# Altium PCB wulpus_pro_acq.PcbDoc (part 1 of 3) (continued)
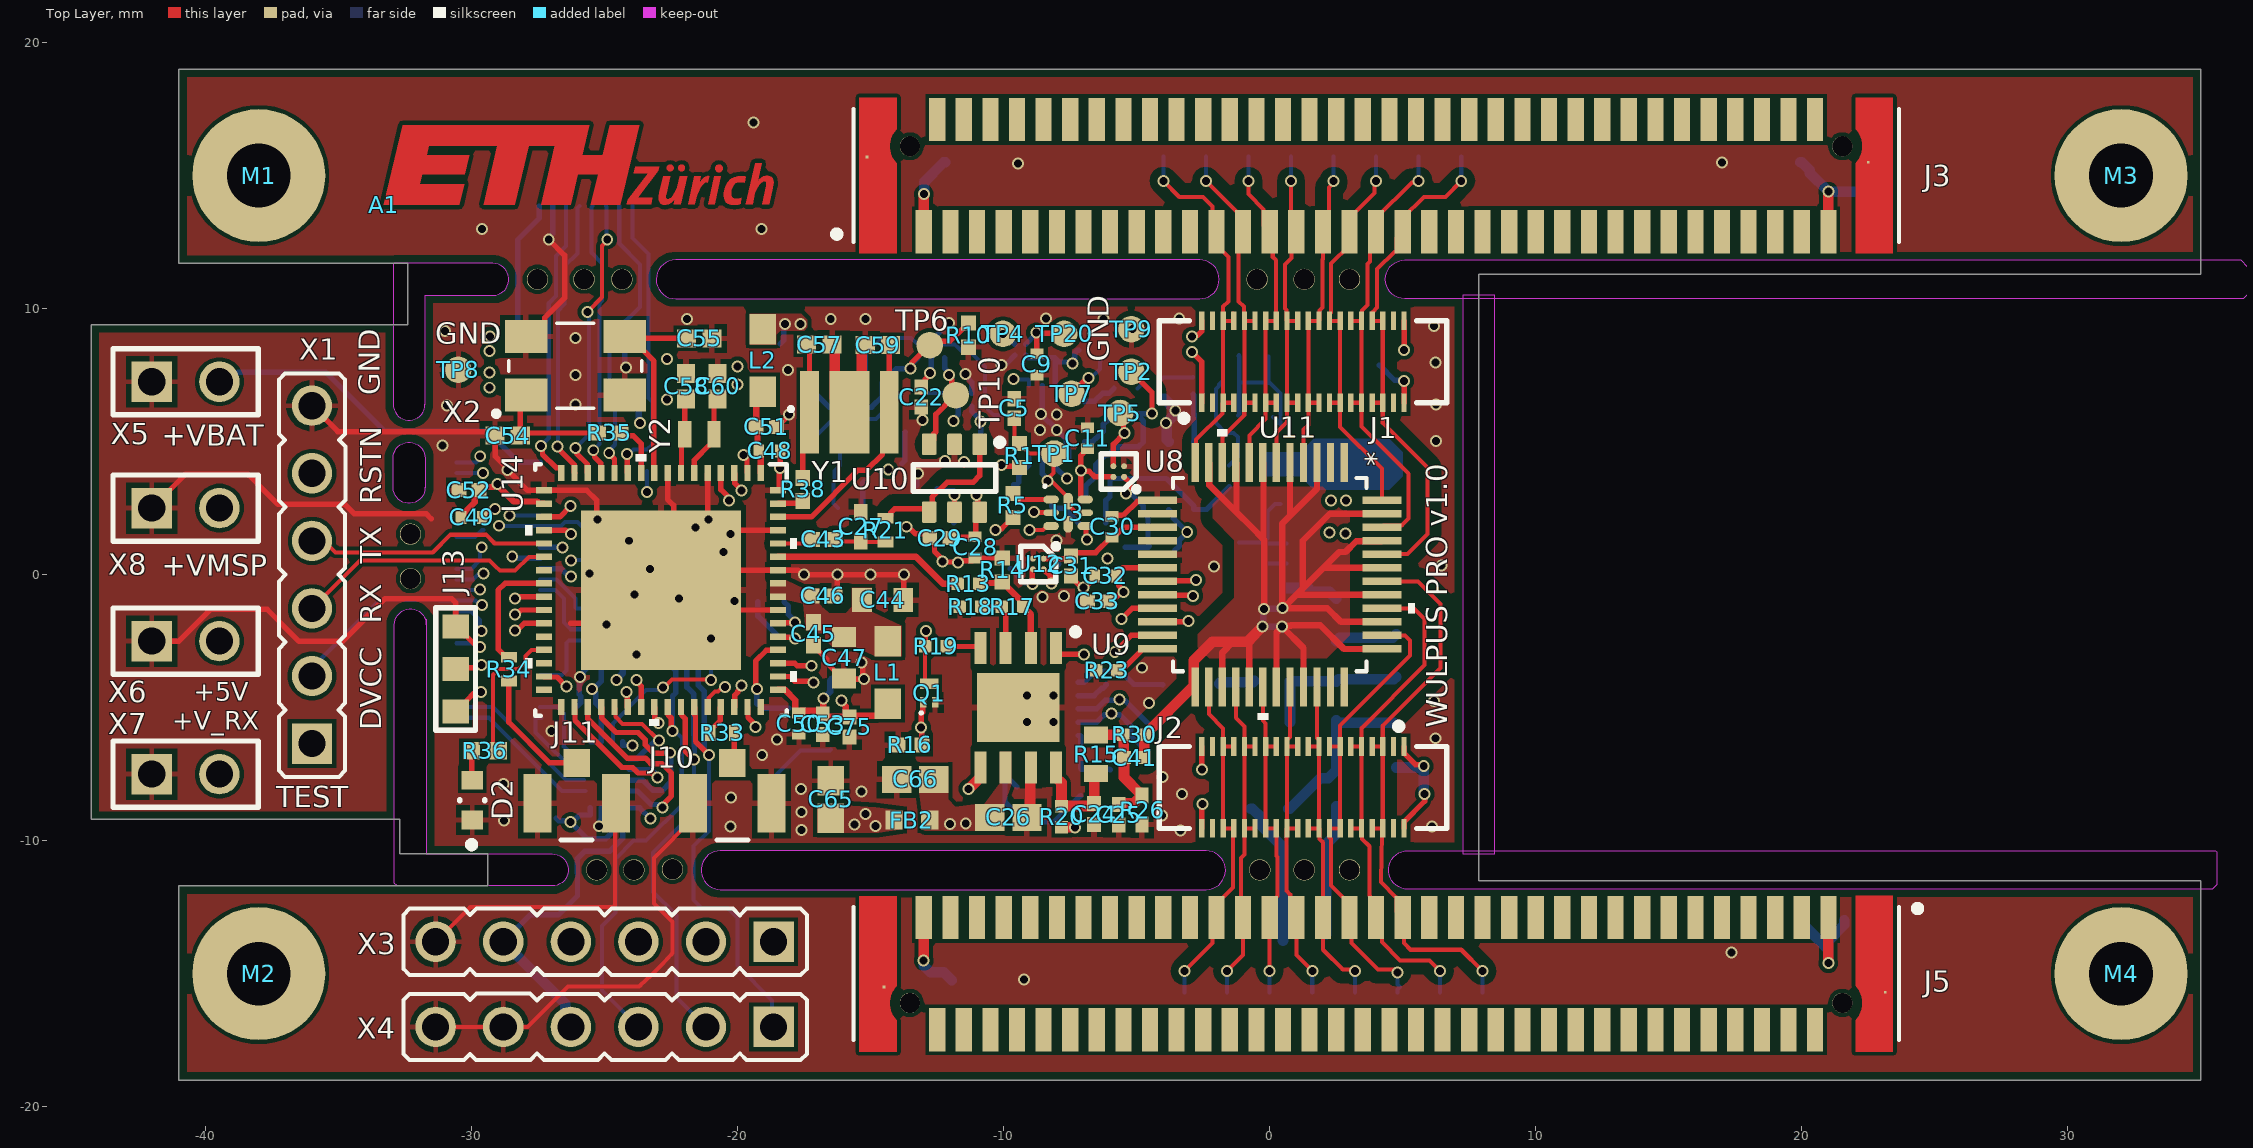
[diagram p0: Top Layer view]
## Components (designator, comment, footprint, x,y, rotation, side; value= is the part's Value field where it differs from the comment) (continued)
TP9 "TP-SM-C-100" TP-SM-C-100#1 -5.2,9.225 r90 top
TP10 "TP-SM-C-100" TP-SM-C-100#1 -11.8,6.744 r90 top
TP11 "TP-SM-C-100" TP-SM-C-100#1 -11.875,1.95 r90 bottom locked
TP12 "TP-SM-C-100" TP-SM-C-100#1 -9.75,0.225 r90 bottom locked
TP13 "TP-SM-C-100" TP-SM-C-100#1 4.125,7.875 r90 bottom locked
TP14 "TP-SM-C-100" TP-SM-C-100#1 15.5,15.5 r90 bottom
TP15 "TP-SM-C-100" TP-SM-C-100#2 16.2,-15.2 r90 bottom
TP16 "TP-SM-C-100" TP-SM-C-100#1 21.6,-13 r90 bottom
TP17 "TP-SM-C-100" TP-SM-C-100#1 22.5,14.3 r90 bottom
TP18 "TP-SM-C-100" TP-SM-C-100#1 -18.925,-8.123 r90 bottom
TP19 "TP-SM-C-100" TP-SM-C-100#1 -18.408,8.669 r90 bottom locked
TP20 "TP-SM-C-100" TP-SM-C-100#1 -7.725,9.05 r90 top locked
U1 "AD8338ACPZ-R7" FP-CP-16-22-IPC_C -8.303,5.75 r180 bottom locked
U2 "OPA836IDBVT" DBV0006A_L -3.8,3.725 r270 bottom locked
U3 "TPL0501-100RSER" TI-RSE8_V -7.575,2.325 r270 top locked
U4 "TS5A3159AYZPR" BGA6C50P2X3_89X139X50 -12.725,8.4 r270 bottom locked
U5 "LTC5507ES6#TRMPBF" FP-LTC5507ES6#TRMPBF-IPC_B -16.125,6 r270 bottom locked
U6 "TPS22916CYFPR" BGA4C40P2X2_78X78X50 -9.375,8.45 r90 bottom locked
U7 "TS5A3159AYZPR" BGA6C50P2X3_89X139X50 -11.2,6.575 r270 bottom locked
U8 "TPS22916CYFPR" BGA4C40P2X2_78X78X50 -5.675,3.875 r180 top locked
U9 "IXDD604D2TR" SON95P500X400X100-9N -9.45,-5 r270 top locked
U10 "OPA836IDBVT" DBV0006A_L -11.85,3.625 r270 top locked
U11 "HV2707T-C/R8X" LQFP48_7X7MC_MCH 0,0 r270 top locked
U12 "TPS22916CYFPR" BGA4C40P2X2_78X78X50 -8.7,0.4 r270 top locked
U13 "MD0100" AMP_PHA-1+ 2.541,4.15 r90 bottom locked
U14 "MSP430FR5043IRGCT" RGC0064G -22.88,-0.58 r270 top locked
U15 "LT3463EDD#PBF" LT-DD-10_V -8.625,-5.048 r0 bottom locked
U16 "TPS22916CYFPR" BGA4C40P2X2_78X78X50 -17.875,-5.225 r90 bottom locked
U17 "SN74AVC4T774RSVR" QFN40P260X180X55-16N -24.925,-7.525 r0 bottom locked
U18 "SN74AVC4T774RSVR" QFN40P260X180X55-16N -24.925,-1.875 r0 bottom locked
X1 "68000-106HLF" 68000-106HLF -36,0 r90 top locked
X2 "FY0800018" XTAL_ECS-80-18-30B-AGN-TR -26.1,7.85 r0 top locked
X3 "68000-106HLF" 68000-106HLF -25,-13.8 r180 top locked
X4 "68000-106HLF" 68000-106HLF -25,-17 r180 top locked
X5 "68000-102HLF" 68000-102HLF -40.75,7.25 r0 top locked
X6 "68000-102HLF" 68000-102HLF -40.75,-2.5 r0 top locked
X7 "68000-102HLF" 68000-102HLF -40.75,-7.5 r0 top locked
X8 "68000-102HLF" 68000-102HLF -40.75,2.5 r0 top locked
Y1 "AWSCR-8.00CV-T" AWSCR-8.00CV-T_ABR -15.8,6.1 r0 top locked
Y2 "ABS05-32.768KHZ-9-T" FP-ABS05-MFG -21.44,5.28 r180 top locked

## Footprints (in the part's own frame and the unit in brackets; to place one, negate y for a bottom-side part, rotate by r counter-clockwise, add the part's x,y. Pads: shape width x height; smd on the part's side, far side on the other; paste and mask are expansions set on the pad)
68000-102HLF [mm] "Terminal Assembly, 1x2 Pins, Vertical, 2.54mm Pitch, Male"
  rect 1.52x1.52 hole 1.02: 1(-1.27,0)
  round 1.52 hole 1.02: 2(1.27,0)
  silkscreen extent -2.73,-1.24 2.73,1.24, body extent -2.54,-1.21 2.54,1.21, height 8.39
68000-106HLF [mm] "Terminal Assembly, 1x6 Pin, Vertical, 2.54mm Pitch, Male, TH"
  rect 1.52x1.52 hole 1.02: 1(-6.35,0)
  round 1.52 hole 1.02: 2(-3.81,0) 3(-1.27,0) 4(1.27,0) 5(3.81,0) 6(6.35,0)
  silkscreen extent -7.6,-1.25 7.56,1.25, body extent -7.62,-1.21 7.62,1.21, height 8.39
AMP_PHA-1+ [mil]
  rect 28x51.18 smd: 1(-59,-84) 3(59,-84)
  round 1 smd: 2(0,-6.75)
  rect 3.94x3.94 smd paste-39.37 mask+0: 2_4(0,-8.5)
  Top Layer region: 37.5,77 37.5,-35 18,-54.5 18,-110 -18,-110 -18,-54.5 -37.5,-35 -37.5,77 -18,96.5 18,96.5
  silkscreen extent -96,-88 88,48, body extent -89,-81 89,81, height 63
AWSCR-8.00CV-T_ABR [mil]
  rect 28x122 smd paste+0 mask+0: 1(-59.06,0) 3(59.06,0)
  rect 59x122 smd paste+0 mask+0: 2(0,0)
  silkscreen extent -90,2 -84,8, body extent -73,-61 73,61, height 48
BGA4C40P2X2_78X78X50 [mm]
  round 0.226 smd: A1(-0.2,0.2) A2(0.2,0.2) B1(-0.2,-0.2) B2(0.2,-0.2)
  silkscreen extent -0.76,-0.66 0.66,0.76
BGA6C50P2X3_89X139X50 [mm]
  round 0.226 smd: A1(-0.25,0.5) A2(0.25,0.5) B1(-0.25,0) B2(0.25,0) C1(-0.25,-0.5) C2(0.25,-0.5)
  silkscreen extent -0.81,-0.96 0.71,1.06, body extent -0.44,-0.69 0.44,0.69, height 0.5
CAPC1005X55X25LL05T10 [mm] "Chip Capacitor, 2-Leads, Body 1.00x0.50mm, IPC High Density"
  rect 0.56x0.52 smd: 1(-0.39,0) 2(0.39,0)
  body extent -0.53,-0.28 0.53,0.28, height 0.55
CAPC1005X55X30LL05T10 [mm] "Chip Capacitor, 2-Leads, Body 1.00x0.50mm, IPC High Density"
  rect 0.56x0.52 smd: 1(-0.38,0) 2(0.38,0)
  body extent -0.53,-0.28 0.53,0.28, height 0.55
CONN_DF52-16S-0.8H(21)_HIR [mil]
  rect 21x41 smd paste+0 mask+0: 1(-236.22,50.63) 2(-204.72,50.63) 3(-173.23,50.63) 4(-141.73,50.63) 5(-110.24,50.63) 6(-78.74,50.63) 7(-47.24,50.63) 8(-15.75,50.63) 9(15.75,50.63) 10(47.24,50.63) 11(78.74,50.63) 12(110.24,50.63) 13(141.73,50.63) 14(173.23,50.63) 15(204.72,50.63) 16(236.22,50.63)
  rect 37x65 smd: 17(-285.43,-24.96) 18(285.43,-24.96)
  silkscreen extent -304,-64 304,64, body extent -295,-55 295,54, height 69
DBV0006A_L [mm]
  rrect18% 0.8x0.55 smd: 1(-1.275,0.95) 2(-1.275,0) 3(-1.275,-0.95) 4(1.275,-0.95) 5(1.275,0) 6(1.275,0.95)
  silkscreen extent -1.72,-1.55 0.5,1.77, body extent -1.42,-1.46 1.42,1.46, height 1.11
DF40HC3050DS04V51 [mil]
  rect 6x44.56 smd paste+0 mask+0: 1(-188.98,-62) 2(-173.23,-62) 3(-157.48,-62) 4(-141.73,-62) 5(-125.98,-62) 6(-110.24,-62) 7(-94.49,-62) 8(-78.74,-62) 9(-62.99,-62) 10(-47.24,-62) 11(-31.5,-62) 12(-15.75,-62) 13(0,-62) 14(15.75,-62) 15(31.5,-62) 16(47.24,-62) 17(62.99,-62) 18(78.74,-62) 19(94.49,-62) 20(110.24,-62) 21(125.98,-62) 22(141.73,-62) 23(157.48,-62) 24(173.23,-62) 25(188.98,-62) 26(188.98,62) 27(173.23,62) 28(157.48,62) 29(141.73,62) 30(125.98,62) 31(110.24,62) 32(94.49,62) 33(78.74,62) 34(62.99,62) 35(47.24,62) 36(31.5,62) 37(15.75,62) 38(0,62) 39(-15.75,62) 40(-31.5,62) 41(-47.24,62) 42(-62.99,62) 43(-78.74,62) 44(-94.49,62) 45(-110.24,62) 46(-125.98,62) 47(-141.73,62) 48(-157.48,62) 49(-173.23,62) 50(-188.98,62)
  silkscreen extent -239,-104 242,61, body extent -248,-67 248,67, height 114
DIODE_SOD323_DIO [mil]
  rect 43.56x16.36 smd paste+0 mask+0: 1(-45,0) 2(45,0)
  silkscreen extent -40,-32 40,32, body extent -53,-27 53,27, height 47
ERJ2RKD1004X#1 [mm]
  rect 0.475x0.5 smd: 1(-0.512,0) 2(0.512,0)
  silkscreen extent -0.97,-0.03 -0.93,0.03, body extent -0.5,-0.25 0.5,0.25, height 0.35
ERJ2RKD1004X#2 [mm]
  rect 0.475x0.5 smd: 1(-0.515,0) 2(0.512,0)
  silkscreen extent -0.97,-0.03 -0.93,0.03, body extent -0.5,-0.25 0.5,0.25, height 0.35
ERJP03_PA3_(0603) [mm]
  rect 0.65x0.9 smd: 1(-0.725,0) 2(0.725,0)
  body extent -0.8,-0.4 0.8,0.4, height 0.45
eth-zurich_3mm [mm] "Logo ETH Zurich"
  Top Layer circle w0.3: c12.598,1.372 r0.001
  Top Layer circle w0.27: c11.193,1.389 r0.001
  Top Layer circle w0.27: c10.764,1.389 r0.001
  Top Layer region: 14.118,0.96 14.118,0.96 14.049,0.879 14.2,1.562 13.955,1.562 13.614,0.024 13.86,0.024 13.95,0.433 14.001,0.555 14.061,0.663 14.121,0.759 14.181,0.822 14.229,0.855 14.277,0.879 14.313,0.879 14.349,0.867 14.373,0.843 14.379,0.807 14.379,0.759 14.373,0.717 14.219,0.024 14.486,0.024 14.601,0.555 14.644,0.753 14.649,0.843 14.637,0.927 14.613,0.999 14.565,1.047 14.505,1.083 14.457,1.095 14.361,1.095 14.265,1.071 14.181,1.023
  Top Layer region: 13.614,1.051 13.614,1.051 13.56,1.071 13.5,1.08 13.404,1.08 13.296,1.071 13.182,1.044 13.086,0.996 13.008,0.936 12.96,0.888 12.912,0.828 12.87,0.756 12.84,0.684 12.81,0.6 12.792,0.522 12.78,0.444 12.78,0.342 12.792,0.252 12.81,0.192 12.84,0.132 12.876,0.084 12.924,0.048 12.978,0.024 13.032,0.012 13.152,0 13.212,0 13.32,0.012 13.387,0.028 13.416,0.036 13.441,0.272 13.386,0.252 13.308,0.234 13.248,0.228 13.206,0.228 13.158,0.24 13.116,0.264 13.092,0.288 13.074,0.324 13.062,0.366 13.056,0.408 13.056,0.462 13.068,0.54 13.092,0.618 13.122,0.684 13.158,0.738 13.212,0.804 13.26,0.834 13.308,0.852 13.356,0.858 13.428,0.858 13.494,0.852 13.524,0.846 13.566,0.834
  Top Layer region: 12.438,0.024 12.438,0.024 12.671,1.071 12.424,1.071 12.192,0.024
  Top Layer region: 11.857,0.78 11.857,0.78 11.922,1.071 11.676,1.071 11.444,0.024 11.689,0.024 11.727,0.193 11.784,0.378 11.85,0.54 11.904,0.642 11.979,0.741 12.03,0.792 12.072,0.822 12.114,0.84 12.144,0.84 12.184,0.83 12.24,1.08 12.204,1.086 12.168,1.086 12.132,1.08 12.078,1.056 12.042,1.032 11.994,0.99 11.952,0.948 11.904,0.876
  Top Layer region: 11.166,0.024 11.166,0.024 11.398,1.071 11.121,1.071 11.031,0.661 10.98,0.54 10.92,0.432 10.86,0.336 10.8,0.273 10.752,0.24 10.704,0.216 10.668,0.216 10.632,0.228 10.608,0.252 10.602,0.288 10.602,0.336 10.608,0.378 10.763,1.071 10.496,1.071 10.38,0.54 10.336,0.342 10.332,0.252 10.344,0.168 10.368,0.096 10.416,0.048 10.476,0.012 10.524,0 10.62,0 10.716,0.024 10.8,0.072 10.863,0.135 10.932,0.216 10.89,0.024
  Top Layer region: 10.359,1.44 10.359,1.44 9.452,1.44 9.396,1.191 9.945,1.191 9.172,0.185 9.138,0.024 10.044,0.024 10.099,0.273 9.549,0.273 10.325,1.284
  Top Layer region: 8.895,0 8.895,0 9.6,3 8.493,3 8.227,1.87 7.459,1.87 7.723,3 0.705,3 0,0 1.171,0 2.838,0 3.021,0.78 1.356,0.78 1.442,1.146 3.034,1.146 3.204,1.866 1.609,1.866 1.693,2.22 4.273,2.22 3.75,0 4.923,0 5.445,2.22 6.433,2.22 5.913,0 7.02,0 7.29,1.151 8.058,1.151 7.788,0
FP-0402-L_1_0_1-W_0_5_0_1-IPC_C [mm]
  rect 0.581x0.512 smd paste+0 mask+0: 1(-0.366,0) 2(0.366,0)
  body extent -0.5,-0.25 0.5,0.25, height 0.56
FP-0402-L_1_0_1-W_0_5_0_1-MFG [mm]
  rect 0.6x0.5 smd paste+0 mask+0: 1(-0.55,0) 2(0.55,0)
  body extent -0.5,-0.25 0.5,0.25, height 0.56
FP-ABS05-MFG [mm]
  rect 0.5x1 smd paste+0 mask+0: 1(-0.55,0) 2(0.55,0)
  body extent -0.95,-0.65 0.95,0.65, height 0.25
FP-APHD1608LZGCK-MFG [mm]
  rect 0.7x0.8 smd paste+0 mask+0: 1(-0.75,0) 2(0.75,0)
  silkscreen extent -1.8,-0.48 0.03,0.48, body extent -1.2,-0.58 1.2,0.58, height 0.25
FP-BLM18-0_15-t0_8-MFG [mm]
  rect 0.65x0.7 smd paste+0 mask+0: 1(-0.675,0) 2(0.675,0)
  body extent -0.8,-0.4 0.8,0.4, height 0.95
FP-C1005-050-0_15-0_1-MFG [mm]
  rect 0.4x0.5 smd paste+0 mask+0: 1(-0.4,0) 2(0.4,0)
  body extent -0.5,-0.25 0.5,0.25, height 0.65
FP-CP-16-22-IPC_C [mm]
  rect 0.806x0.239 smd paste+0 mask+0: 1(-1.353,0.75)
  rrect100% 0.806x0.239 smd paste+0 mask+0: 2(-1.353,0.25) 3(-1.353,-0.25) 4(-1.353,-0.75) 9(1.353,-0.75) 10(1.353,-0.25) 11(1.353,0.25) 12(1.353,0.75)
  rrect100% 0.239x0.806 smd paste+0 mask+0: 5(-0.75,-1.353) 6(-0.25,-1.353) 7(0.25,-1.353) 8(0.75,-1.353) 13(0.75,1.353) 14(0.25,1.353) 15(-0.25,1.353) 16(-0.75,1.353)
  rect 1.5x1.5 smd paste-1000 mask+0: 17(0,0)
  silkscreen extent -1.98,-1.5 1.5,1.5, body extent -1.5,-1.5 1.5,1.5, height 0.8
FP-CRCW0402-C-e3-MFG [mm]
  rect 0.4x0.6 smd paste+0 mask+0: 1(-0.45,0) 2(0.45,0)
  body extent -0.5,-0.25 0.5,0.25, height 0.35
FP-CRCW0402-e3-IPC_B [mm]
  rect 0.568x0.572 smd paste+0 mask+0: 1(-0.452,0) 2(0.452,0)
  body extent -0.5,-0.25 0.5,0.25, height 0.4
FP-CRCW0402-e3-IPC_C [mm]
  rect 0.468x0.472 smd paste+0 mask+0: 1(-0.402,0) 2(0.402,0)
  body extent -0.5,-0.25 0.5,0.25, height 0.4
FP-CRCW0402-e3-MFG [mm]
  rect 0.6x0.6 smd paste+0 mask+0: 1(-0.525,0) 2(0.525,0)
  body extent -0.5,-0.25 0.5,0.25, height 0.4
FP-DF40C-40DS-0_4V_51-MFG [mm]
  rect 0.2x0.7 smd paste-1000 mask+0: 1(-3.8,-1.54) 2(-3.8,1.54) 3(-3.4,-1.54) 4(-3.4,1.54) 5(-3,-1.54) 6(-3,1.54) 7(-2.6,-1.54) 8(-2.6,1.54) 9(-2.2,-1.54) 10(-2.2,1.54) 11(-1.8,-1.54) 12(-1.8,1.54) 13(-1.4,-1.54) 14(-1.4,1.54) 15(-1,-1.54) 16(-1,1.54) 17(-0.6,-1.54) 18(-0.6,1.54) 19(-0.2,-1.54) 20(-0.2,1.54) 21(0.2,-1.54) 22(0.2,1.54) 23(0.6,-1.54) 24(0.6,1.54) 25(1,-1.54) 26(1,1.54) 27(1.4,-1.54) 28(1.4,1.54) 29(1.8,-1.54) 30(1.8,1.54) 31(2.2,-1.54) 32(2.2,1.54) 33(2.6,-1.54) 34(2.6,1.54) 35(3,-1.54) 36(3,1.54) 37(3.4,-1.54) 38(3.4,1.54) 39(3.8,-1.54) 40(3.8,1.54)
  silkscreen extent -5.4,-2.25 5.4,1.54, body extent -5.5,-1.99 5.5,1.99, height 0.25
FP-ERJ2RK-IPC_C [mm]
  rect 0.468x0.472 smd paste+0 mask+0: 1(-0.402,0) 2(0.402,0)
  body extent -0.5,-0.25 0.5,0.25, height 0.4
FP-ERJ2RK-MFG [mm]
  rect 0.475x0.5 smd paste+0 mask+0: 1(-0.513,0) 2(0.513,0)
  body extent -0.5,-0.25 0.5,0.25, height 0.4
FP-ERJ-3GEY0R00V-MFG [mm]
  rect 0.65x0.9 smd paste+0 mask+0: 1(-0.725,0) 2(0.725,0)
  body extent -1.15,-0.58 1.15,0.58, height 0.25
FP-GCM21B-0_15-IPC_C [mm]
  rect 1.006x1.308 smd paste+0 mask+0: 1(-0.726,0) 2(0.726,0)
  body extent -1,-0.63 1,0.63, height 1.4
FP-GJM155-0_05-IPC_A [mm]
  rect 0.715x0.672 smd paste+0 mask+0: 1(-0.479,0) 2(0.479,0)
  body extent -1.04,-0.54 1.04,0.54, height 0.25
FP-GJM155-0_05-IPC_C [mm]
  rect 0.515x0.472 smd paste+0 mask+0: 1(-0.379,0) 2(0.379,0)
  body extent -0.5,-0.25 0.5,0.25, height 0.55
FP-GRM033-0_03-IPC_B [mm]
  rect 0.454x0.363 smd paste+0 mask+0: 1(-0.304,0) 2(0.304,0)
  body extent -0.3,-0.15 0.3,0.15, height 0.33
FP-GRM155-0_1-IPC_C [mm]
  rect 0.515x0.472 smd paste+0 mask+0: 1(-0.379,0) 2(0.379,0)
  body extent -0.5,-0.25 0.5,0.25, height 0.6
FP-GRM155-0_05-IPC_B [mm]
  rect 0.615x0.572 smd paste+0 mask+0: 1(-0.429,0) 2(0.429,0)
  body extent -0.5,-0.25 0.5,0.25, height 0.55
FP-GRM155-0_05-IPC_C [mm]
  rect 0.515x0.472 smd paste+0 mask+0: 1(-0.379,0) 2(0.379,0)
  body extent -0.74,-0.38 0.74,0.38, height 0.25
FP-GRM155-0_05-MFG [mm]
  rect 0.4x0.5 smd paste+0 mask+0: 1(-0.4,0) 2(0.4,0)
  body extent -0.5,-0.25 0.5,0.25, height 0.55
FP-GRM188-0_2-IPC_B [mm]
  rect 1.105x1.006 smd paste+0 mask+0: 1(-0.701,0) 2(0.701,0)
  body extent -1.5,-0.75 1.5,0.75, height 0.25
FP-GRM188-0_2-MFG [mm]
  rect 0.75x0.9 smd paste+0 mask+0: 1(-0.775,0) 2(0.775,0)
  body extent -0.8,-0.4 0.8,0.4, height 1
FP-LQH3NPH_ME-MFG [mm]
  rect 0.8x2.7 smd paste+0 mask+0: 1(-1.1,0) 2(1.1,0)
  silkscreen extent -0.33,-1.6 0.33,1.6, body extent -1.5,-1.5 1.5,1.5, height 1.5
FP-LTC5507ES6#TRMPBF-IPC_B [mm]
  rect 1.24x0.526 smd paste+0 mask+0: 1(-1.165,0.95)
  rrect100% 1.24x0.526 smd paste+0 mask+0: 2(-1.165,0) 3(-1.165,-0.95) 4(1.166,-0.95) 5(1.166,0) 6(1.166,0.95)
  silkscreen extent -2.41,-1.45 0.05,1.45, body extent -1.41,-1.45 1.41,1.45, height 1
FP-MCS0402-IPC_B [mm]
  rect 0.565x0.572 smd paste+0 mask+0: 1(-0.454,0) 2(0.454,0)
  body extent -0.5,-0.25 0.5,0.25, height 0.37
FP-RC1005-MFG [mm]
  rect 0.6x0.5 smd paste+0 mask+0: 1(-0.55,0) 2(0.55,0)
  body extent -0.95,-0.38 0.95,0.38, height 0.25
FP-RMCF0201-MFG [mm]
  rect 0.35x0.4 smd paste+0 mask+0: 1(-0.325,0) 2(0.325,0)
  body extent -0.3,-0.15 0.3,0.15, height 0.26
FP-SOT523-MFG [mm]
  rect 0.51x0.4 smd paste+0 mask+0: 1(-0.645,0.5) 2(-0.645,-0.5) 3(0.645,0)
  silkscreen extent -0.02,-0.85 0.43,0.85, body extent -0.81,-0.8 0.81,0.8, height 0.9
FP-U_FL-R-SMT-1_10-MFG [mm]
  rect 1x1.05 smd paste-1000 mask+0: 1(0,1.525)
  rect 1.05x2.2 smd paste-1000 mask+0: 2(-1.475,0) 3(1.475,0)
  silkscreen extent -0.58,-1.38 0.58,-1.38, body extent -1.5,-1.55 1.5,1.55, height 1.45
FRAMETOME_91931-31169LF [mm]
  rect 0.61x1.63 smd paste-2: 1(-17,-2.11) 2(-16,-2.11) 3(-15,-2.11) 4(-14,-2.11) 5(-13,-2.11) 6(-12,-2.11) 7(-11,-2.11) 8(-10,-2.11) 9(-9,-2.11) 10(-8,-2.11) 11(-7,-2.11) 12(-6,-2.11) 13(-5,-2.11) 14(-4,-2.11) 15(-3,-2.11) 16(-2,-2.11) 17(-1,-2.11) 18(0,-2.11) 19(1,-2.11) 20(2,-2.11) 21(3,-2.11) 22(4,-2.11) 23(5,-2.11) 24(6,-2.11) 25(7,-2.11) 26(8,-2.11) 27(9,-2.11) 28(10,-2.11) 29(11,-2.11) 30(12,-2.11) 31(13,-2.11) 32(14,-2.11) 33(15,-2.11) 34(16,-2.11) 35(17,-2.11) 36(-16.5,2.11) 37(-15.5,2.11) 38(-14.5,2.11) 39(-13.5,2.11) 40(-12.5,2.11) 41(-11.5,2.11) 42(-10.5,2.11) 43(-9.5,2.11) 44(-8.5,2.11) 45(-7.5,2.11) 46(-6.5,2.11) 47(-5.5,2.11) 48(-4.5,2.11) 49(-3.5,2.11) 50(-2.5,2.11) 51(-1.5,2.11) 52(-0.5,2.11) 53(0.5,2.11) 54(1.5,2.11) 55(2.5,2.11) 56(3.5,2.11) 57(4.5,2.11) 58(5.5,2.11) 59(6.5,2.11) 60(7.5,2.11) 61(8.5,2.11) 62(9.5,2.11) 63(10.5,2.11) 64(11.5,2.11) 65(12.5,2.11) 66(13.5,2.11) 67(14.5,2.11) 68(15.5,2.11) 69(16.5,2.11)
  rect 0.1x0.1 smd paste-1 mask+0: B1(18.5,0.5) B2(-19.14,0.7)
  round 0.76 hole 0.76 unplated: ""(-17.526,1.1) ""(17.526,1.1)
  Top Layer region: -18.02,1.745 -18.052,1.71 -18.082,1.674 -18.11,1.636 -18.137,1.596 -18.161,1.556 -18.183,1.514 -18.203,1.471 -18.221,1.427 -18.236,1.382 -18.249,1.337 -18.26,1.291 -18.269,1.244 -18.275,1.197 -18.278,1.15 -18.28,1.102 -18.278,1.055 -18.275,1.008 -18.269,0.961 -18.26,0.914 -18.249,0.868 -18.236,0.823 -18.221,0.778 -18.203,0.734 -18.183,0.691 -18.161,0.649 -18.137,0.609 -18.11,0.569 -18.082,0.531 -18.052,0.495 -18.02,0.46 -18.02,-2.925 -19.42,-2.925 -19.42,2.925 -18.02,2.925
  Top Layer region: 19.42,-2.92 18.02,-2.92 18.02,0.465 18.052,0.5 18.082,0.536 18.11,0.574 18.137,0.614 18.161,0.654 18.183,0.696 18.203,0.739 18.221,0.783 18.236,0.828 18.249,0.873 18.26,0.919 18.269,0.966 18.275,1.013 18.278,1.06 18.28,1.108 18.278,1.155 18.275,1.202 18.269,1.249 18.26,1.296 18.249,1.342 18.236,1.387 18.221,1.432 18.203,1.476 18.183,1.519 18.161,1.561 18.137,1.601 18.11,1.641 18.082,1.679 18.052,1.715 18.02,1.75 18.02,2.93 19.42,2.93
  silkscreen extent -20.37,-2.5 19.65,2.5
"Jumper 3 pins" [mm] "Jumper 3 pins 0603x2"
  rect 0.9x1 smd: 1(-1.6,0) 2(0,0) 3(1.6,0)
  silkscreen extent -2.3,-0.75 2.3,0.75, body extent -1.65,-0.47 1.65,0.47, height 0.6
LQFP48_7X7MC_MCH [mil]
  rect 57.56x11 smd paste+0 mask+0: 1(-166,110) 2(-166,90) 3(-166,70) 4(-166,50) 5(-166,30) 6(-166,10) 7(-166,-10) 8(-166,-30) 9(-166,-50) 10(-166,-70) 11(-166,-90) 12(-166,-110) 25(166,-110) 26(166,-90) 27(166,-70) 28(166,-50) 29(166,-30) 30(166,-10) 31(166,10) 32(166,30) 33(166,50) 34(166,70) 35(166,90) 36(166,110)
  rect 11x57.56 smd paste+0 mask+0: 13(-110,-166) 14(-90,-166) 15(-70,-166) 16(-50,-166) 17(-30,-166) 18(-10,-166) 19(10,-166) 20(30,-166) 21(50,-166) 22(70,-166) 23(90,-166) 24(110,-166) 37(110,166) 38(90,166) 39(70,166) 40(50,166) 41(30,166) 42(10,166) 43(-10,166) 44(-30,166) 45(-50,166) 46(-70,166) 47(-90,166) 48(-110,166)
  silkscreen extent -215,-143 215,215, body extent -181,-181 181,181, height 63
LT-DD-10_V [mm] "SON, 10-Leads, Body 3x3mm, Pitch 0.5mm, Thermal Pad 2.38x1.65mm"
  rect 0.7x0.25 smd: 1(-1.425,1) 2(-1.425,0.5) 3(-1.425,0) 4(-1.425,-0.5) 5(-1.425,-1) 6(1.425,-1) 7(1.425,-0.5) 8(1.425,0) 9(1.425,0.5) 10(1.425,1)
  rect 1.65x2.38 smd: 11(0,0)
  silkscreen extent -2,-1.55 1.55,1.6, body extent -1.5,-1.5 1.5,1.5, height 0.8
MOLEX_5051100892 [mm]
  rect 1.4x1 smd: 0(-4.2,1.2) 0(4.15,1.2)
  rect 0.3x1.2 smd: 1(-1.75,-1.45) 2(-1.25,-1.45) 3(-0.75,-1.45) 4(-0.25,-1.45) 5(0.25,-1.45) 6(0.75,-1.45) 7(1.25,-1.45) 8(1.75,-1.45)
  silkscreen extent -4.35,-2.25 4.25,3.6, body extent -4.75,-1.65 4.75,3.65, height 1.88
"Mounting Hole" [mm] "Plated Thru-Hole, M2 (2.4mm hole, 5mm pad)"
  round 5 / inner round 3 / far side round 5 hole 2.4: 1(0,0)
NX7002BKMBYL [mm]
  rect 0.4x0.25 smd: 1(-0.35,0.225) 2(-0.35,-0.225)
  rect 0.4x0.7 smd: 3(0.35,0)
  silkscreen extent -0.8,0.25 -0.7,0.35, body extent -0.5,-0.3 0.5,0.3, height 0.37
QFN40P260X180X55-16N [mm]
  rrect6% 0.91x0.22 smd: 1(-0.795,0.6)
  rrect6% 0.81x0.22 smd: 2(-0.845,0.2) 3(-0.845,-0.2) 4(-0.845,-0.6) 9(0.845,-0.6) 10(0.845,-0.2) 11(0.845,0.2) 12(0.845,0.6)
  rrect6% 0.22x0.75 smd: 5(-0.6,-1.245) 6(-0.2,-1.245) 7(0.2,-1.245) 8(0.6,-1.245) 13(0.6,1.245) 14(0.2,1.245) 15(-0.2,1.245) 16(-0.6,1.245)
  silkscreen extent -1.9,-1.33 0.93,1.33
RESC1005X35X20ML05T10 [mm] "Chip Resistor, 2-Leads, Body 1.00x0.50mm, IPC Low Density"
  rect 0.65x0.65 smd: 1(-0.5,0) 2(0.5,0)
  body extent -0.53,-0.27 0.53,0.28, height 0.35
RESC1005X40X25NL05T10 [mm] "Chip Resistor, 2-Leads, Body 1.00x0.50mm, IPC Medium Density"
  rect 0.6x0.55 smd: 1(-0.425,0) 2(0.425,0)
  body extent -0.53,-0.27 0.53,0.28, height 0.4
RGC0064G [mm]
  rect 0.6x0.24 smd paste+0 mask+0: 1(-4.4,3.75) 2(-4.4,3.25) 3(-4.4,2.75) 4(-4.4,2.25) 5(-4.4,1.75) 6(-4.4,1.25) 7(-4.4,0.75) 8(-4.4,0.25) 9(-4.4,-0.25) 10(-4.4,-0.75) 11(-4.4,-1.25) 12(-4.4,-1.75) 13(-4.4,-2.25) 14(-4.4,-2.75) 15(-4.4,-3.25) 16(-4.4,-3.75) 33(4.4,-3.75) 34(4.4,-3.25) 35(4.4,-2.75) 36(4.4,-2.25) 37(4.4,-1.75) 38(4.4,-1.25) 39(4.4,-0.75) 40(4.4,-0.25) 41(4.4,0.25) 42(4.4,0.75) 43(4.4,1.25) 44(4.4,1.75) 45(4.4,2.25) 46(4.4,2.75) 47(4.4,3.25) 48(4.4,3.75)
  rect 0.24x0.6 smd paste+0 mask+0: 17(-3.751,-4.4) 18(-3.251,-4.4) 19(-2.751,-4.4) 20(-2.251,-4.4) 21(-1.75,-4.4) 22(-1.25,-4.4) 23(-0.75,-4.4) 24(-0.25,-4.4) 25(0.25,-4.4) 26(0.75,-4.4) 27(1.25,-4.4) 28(1.75,-4.4) 29(2.251,-4.4) 30(2.751,-4.4) 31(3.251,-4.4) 32(3.751,-4.4) 49(3.751,4.4) 50(3.251,4.4) 51(2.751,4.4) 52(2.251,4.4) 53(1.75,4.4) 54(1.25,4.4) 55(0.75,4.4) 56(0.25,4.4) 57(-0.25,4.4) 58(-0.75,4.4) 59(-1.25,4.4) 60(-1.75,4.4) 61(-2.251,4.4) 62(-2.751,4.4) 63(-3.251,4.4) 64(-3.751,4.4)
  rect 6x6 smd paste-3 mask+0: 65(0,0)
  silkscreen extent -5.1,-5.1 5.1,5.1, body extent -4.5,-4.5 4.5,4.5, height 1
SMD-0805 [mm] "Chip Inductor, 2-Leads, Body 2.0x1.2mm"
  rect 1.15x1 smd: 1(-1.175,0) 2(1.175,0)
  body extent -1,-0.6 1,0.6, height 0.89
SON95P500X400X100-9N [mm]
  rect 1.2x0.45 smd: 1(-2.25,1.425) 2(-2.25,0.475) 3(-2.25,-0.475) 4(-2.25,-1.425) 5(2.25,-1.425) 6(2.25,-0.475) 7(2.25,0.475) 8(2.25,1.425)
  rect 2.6x3.1 smd: 9(0,0)
  silkscreen extent -2.97,2.03 -2.73,2.28, body extent -2.55,-2 2.55,2, height 1
TI-RSE8_V [mm] "QFN, 8-Leads, Body 1.5x1.5mm, Pitch 0.5mm"
  oval 0.3x0.58 smd: 1(-0.5,-0.64) 3(0.5,-0.64) 5(0.5,0.64) 7(-0.5,0.64)
  oval 0.25x0.58 smd: 2(0,-0.64) 6(0,0.64)
  oval 0.63x0.35 smd: 4(0.435,0) 8(-0.435,0)
  silkscreen extent -1.05,-0.92 -0.95,-0.82, body extent -0.75,-0.75 0.75,0.75, height 0.6
TP-SM-C-100#1 [mm]
  round 1 smd: 1(0,0)
TP-SM-C-100#2 [mm]
  round 1 smd: 1(2.2,0)
XTAL_ECS-80-18-30B-AGN-TR [mm]
  rect 1.6x1.25 smd: 1(-1.85,-1.1) 2(1.85,-1.1) 3(1.85,1.1) 4(-1.85,1.1)
  silkscreen extent -3.07,-1.9 2.5,1.6, body extent -2.5,-1.6 2.5,1.6, height 0.86

## Part data
A1: library part CMP-00038-1
C1: library part CMP-2008-03820-2, "GJM1555C1H1R5BB01D", Capacitance=1.5pF, Case Code (Imperial)=0402, Case Code (Metric)=1005, Dielectric=C0G, Max Operating Temperature=125°C, Min Operating Temperature=-55°C, Package Quantity=10000, Temperature Coefficient=30ppm/°C, Voltage=50V, Case/Package=0402, Construction=Flat, Depth=0.5mm, Height=0.5mm, Lead Free="Lead Free", Lead Pitch=0.3mm, Length=1mm, Mount="Surface Mount", Number of Pins=2, Packaging="Tape and Reel", Radiation Hardening=No, REACH SVHC="No SVHC", Series=GJM, Termination=SMD/SMT, Thickness=0.022inch, Voltage Rating=50V, Voltage Rating (DC)=50V, Width=0.5mm
C2 C17 C18 C19 C21 C22 C23 C29 C31 C33 C51 C52 C53 C73 C74 C75 C76: library part CMP-0001-00074-2, "C0402C104K4RACTU", Manufacturer=Kemet, Part Number=C0402C104K4RACTU
C3 C6: library part CMP-2010-01684-2, "GRM033R71A103KA01D", Capacitance=10nF, Case Code (Imperial)=0201, Case Code (Metric)=0603, Dielectric=X7R, Max Operating Temperature=125°C, Min Operating Temperature=-55°C, Package Quantity=1, Tolerance=10%, Voltage=10V, Case/Package=0201, Depth=0.3mm, Height=0.3mm, Lead Free="Lead Free", Length=0.6mm, Material=Ceramic, Mount="Surface Mount", Packaging="Tape and Reel", Radiation Hardening=No, REACH SVHC="No SVHC", Termination=SMD/SMT, Thickness=0.013inch, Voltage Rating=10V, Voltage Rating (DC)=10V, Width=0.012inch
C4 C7 C10 C12 C43 C45 C46: library part CMP-2008-04254-2, "GRM1555C1H102JA01D", Capacitance=1nF, Case Code (Imperial)=0402, Case Code (Metric)=1005, Dielectric=C0G, Dielectric Material=Ceramic, Insulation Resistance=10GR, Max Operating Temperature=125°C, Min Operating Temperature=-55°C, Package Quantity=1, Temperature Coefficient=30ppm/°C, Tolerance=5%, Voltage=50V, Case/Package=0402, Depth=0.5mm, Height=0.5mm, Lead Free="Lead Free", Length=1mm, Material=Ceramic, Mount="Surface Mount", Number of Pins=2, Packaging="Tape and Reel", Radiation Hardening=No, REACH SVHC="No SVHC", Termination=SMD/SMT, Thickness=0.022inch, Voltage Rating=50V, Voltage Rating (DC)=50V, Width=0.5mm
C5: library part CMP-2008-02911-2, "04025C332JAT2A", Capacitance=3.3nF, Case Code (Imperial)=0402, Case Code (Metric)=1005, Dielectric=X7R, Max Operating Temperature=125°C, Min Operating Temperature=-55°C, Package Quantity=1, Tolerance=5%, Voltage Rating=50V, Case/Package=0402, Construction=Flat, Contact Plating=Tin, Depth=0.5mm, Dissipation Factor=2.5%, Height=0.56mm, Lead Free="Lead Free", Length=1mm, Mount="Surface Mount", Number of Pins=2, Packaging="Tape and Reel", Radiation Hardening=No, REACH SVHC="No SVHC", RoHS Compliant=Yes, Series=-, Termination=SMD/SMT, Thickness=0.022inch, Voltage Rating (DC)=50V, Width=0.02inch
C8 C9 C11 C14 C15 C20 C28 C30 C32 C40 C48 C49 C50: library part CMP-08246-004344-1, "C1005X7S1A225K050BC", Capacitance=2.2uF, Case Code (Imperial)=0402, Case Code (Metric)=1005, Dielectric=X7S, Dielectric Material=Ceramic, Max Operating Temperature=125°C, Min Operating Temperature=-55°C, Package Quantity=1, Tolerance=10%, Voltage Rating=10V, Case/Package=0402, Depth=0.5mm, Height=0.5mm, Lead Free="Lead Free", Length=1mm, Mount="Surface Mount", Packaging="Tape and Reel", Resistor Type=Ceramic, RoHS Compliant=Yes, Series=C, Termination=SMD/SMT, Thickness=0.022inch, Voltage Rating (DC)=10V, Weight=2.3E-05oz, Width=0.02inch
C13 C27: library part CMP-2008-02567-2, "04025A101FAT2A", Capacitance=100pF, Case Code (Imperial)=0402, Case Code (Metric)=1005, Dielectric=C0G, Dielectric Material=Ceramic, Max Operating Temperature=125°C, Min Operating Temperature=-55°C, Package Quantity=1, Tolerance=1%, Voltage=50V, Case/Package=0402, Depth=0.5mm, Height=0.56mm, Lead Free="Lead Free", Length=1mm, Mount="Surface Mount", Number of Pins=2, Packaging="Tape and Reel", Radiation Hardening=No, REACH SVHC="No SVHC", Termination=SMD/SMT, Thickness=0.022inch, Voltage Rating=50V, Voltage Rating (DC)=50V, Width=0.02inch
C16 C44 C47: library part CMP-00260-117335223-1, "GRM188R60J476ME01D", Capacitance=47µF, Case/Package=0603, Dielectric=X5R, Max Operating Temperature=85°C, Min Operating Temperature=-55°C, Tolerance=20%, Voltage Rating=6.3V, Height=1mm, Length=1.6mm, Lifecycle Status=Production, Material=Ceramic, NexarPartId=117335223, Thickness=800µm, Voltage Rating (DC)=6.3V, Width=800µm
C24 C25: library part CMP-2008-04245-1, "GRM1555C1H100JA01D", Manufacturer=Murata, Part Number=GRM1555C1H100JA01D
C26 C61 C62 C63 C65 C66 C68: library part CMP-06035-000704-1, "GRM188R61H225ME11D", Capacitance=2.2uF, Case Code (Imperial)=0603, Case Code (Metric)=1608, Dielectric=X5R, Max Operating Temperature=85°C, Min Operating Temperature=-55°C, Package Quantity=4000, Resistor Type=Ceramic, Tolerance=20%, Voltage Rating=50V, Case/Package=0603, Height=0.8mm, Lead Free="Lead Free", Length=0.063inch, Mount="Surface Mount", Packaging="Tape and Reel", Termination=SMD/SMT, Thickness=0.039inch, Voltage Rating (DC)=50V, Weight=0.000222oz, Width=0.031inch
C34 C35 C36 C37 C38 C39: library part CMP-06035-000704-1, "GRM188R61H225ME11", Capacitance=2.2uF, Case Code (Imperial)=0603, Case Code (Metric)=1608, Dielectric=X5R, Max Operating Temperature=85°C, Min Operating Temperature=-55°C, Package Quantity=4000, Resistor Type=Ceramic, Tolerance=20%, Voltage Rating=50V, Case/Package=0603, Height=0.8mm, Lead Free="Lead Free", Length=0.063inch, Mount="Surface Mount", Packaging="Tape and Reel", Termination=SMD/SMT, Thickness=0.039inch, Voltage Rating (DC)=50V, Weight=0.000222oz, Width=0.031inch
C41 C42: library part CMP-06035-054161-1, "GRM155R71H473ME14D", Capacitance=47nF, Case Code (Imperial)=0402, Case Code (Metric)=1005, Dielectric=X7R, Max Operating Temperature=125°C, Min Operating Temperature=-55°C, Package Quantity=10000, Resistor Type=Ceramic, Tolerance=20%, Voltage Rating=50V, Case/Package=0402, Height=0.5mm, Length=0.039inch, Mount="Surface Mount", Packaging="Tape and Reel", Termination=SMD/SMT, Thickness=0.022inch, Voltage Rating (DC)=50V, Weight=0.000212oz, Width=0.5mm
C54 C55 C57 C58 C59 C60: library part CMP-2008-03799-2, "Multi-Layer Ceramic Capacitor 12pF C0G  ±2% 0402 Paper T/R", Capacitance=12pF, Case Code (Imperial)=0402, Case Code (Metric)=1005, Dielectric=C0G, Max Operating Temperature=125°C, Min Operating Temperature=-55°C, Package Quantity=10000, Tolerance=2%, Voltage Rating=50V, Case/Package=0402, Depth=0.5mm, Height=0.5mm, Lead Free="Lead Free", Length=1mm, Mount="Surface Mount", Packaging="Tape and Reel", Radiation Hardening=No, Termination=SMD/SMT, Thickness=0.022inch, Voltage Rating (DC)=50V, Width=0.5mm
C56: library part CMP-2008-04254-2, "Chip Multilayer Ceramic Capacitors for General Purpose, 0402, 1000pF, C0G, 30ppm/°C, 5%, 50V", Capacitance=1nF, Case Code (Imperial)=0402, Case Code (Metric)=1005, Dielectric=C0G, Dielectric Material=Ceramic, Insulation Resistance=10GR, Max Operating Temperature=125°C, Min Operating Temperature=-55°C, Package Quantity=1, Temperature Coefficient=30ppm/°C, Tolerance=5%, Voltage=50V, Case/Package=0402, Depth=0.5mm, Height=0.5mm, Lead Free="Lead Free", Length=1mm, Material=Ceramic, Mount="Surface Mount", Number of Pins=2, Packaging="Tape and Reel", Radiation Hardening=No, REACH SVHC="No SVHC", Termination=SMD/SMT, Thickness=0.022inch, Voltage Rating=50V, Voltage Rating (DC)=50V, Width=0.5mm